# Altium PCB pixracer_pcb_layout_v1.PcbDoc (part 1 of 2) (continued)
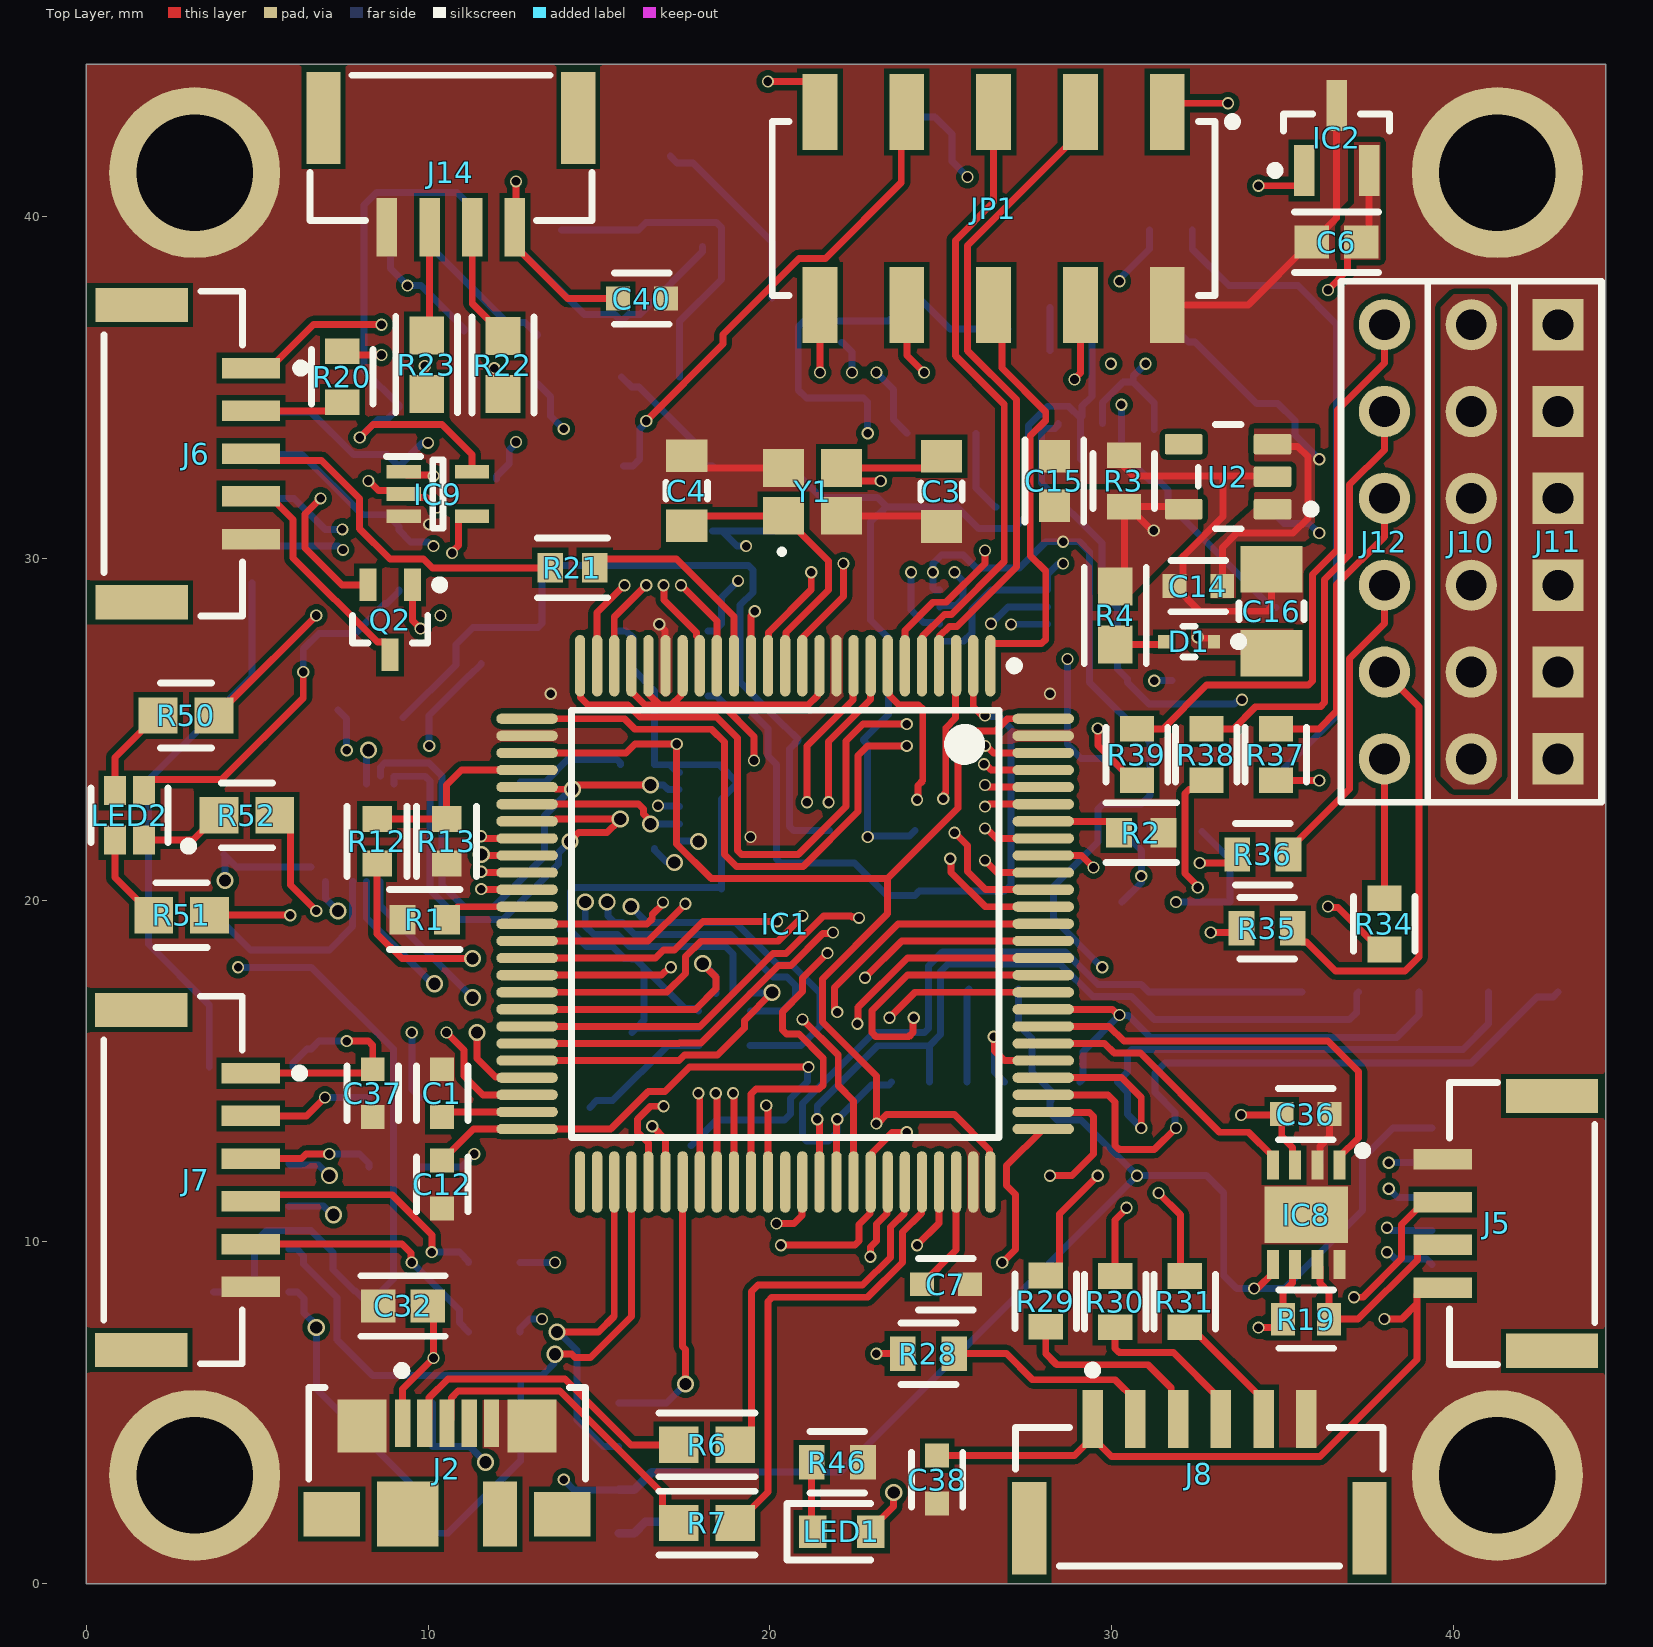
[diagram p0: Top Layer view]
## Footprints (in the part's own frame and the unit in brackets; to place one, negate y for a bottom-side part, rotate by r counter-clockwise, add the part's x,y. Pads: shape width x height; smd on the part's side, far side on the other; paste and mask are expansions set on the pad) (continued)
  silkscreen extent -2,1.53 -1.75,1.78, body extent -1.55,-1.5 1.55,1.5, height 1
SOP50P310X100-8N [mm]
  rect 0.85x0.3 smd: 1(-1.575,0.75) 2(-1.575,0.25) 3(-1.575,-0.25) 4(-1.575,-0.75) 5(1.575,-0.75) 6(1.575,-0.25) 7(1.575,0.25) 8(1.575,0.75)
  silkscreen extent -2,-1 0.8,1.25, body extent -1.55,-0.95 1.56,1.05, height 0.8
SOT65P210X110-5N [mm]
  rect 1x0.4 smd: 1(-1,0.65) 2(-1,0) 3(-1,-0.65) 4(1,-0.65) 5(1,0.65)
  silkscreen extent -1.5,-1 0.15,1.1, body extent -1.05,-1 1.05,1, height 1.1
SOT95P280X130-3N [mm]
  rect 0.9x0.6 smd: 1(-1.4,0.95) 2(-1.4,-0.95) 3(1.4,0)
  silkscreen extent -1.85,-1.45 0.6,1.5, body extent -1.4,-1.45 1.4,1.45, height 1.3
SOT95P280X145-5N [mm]
  rect 1.15x0.6 smd: 1(-1.25,0.95) 2(-1.25,0) 3(-1.25,-0.95) 4(1.25,-0.95) 5(1.25,0.95)
  silkscreen extent -1.83,-1.45 0.33,1.5, body extent -1.4,-1.45 1.4,1.45, height 1.45
SOT95P285X130-5N [mm]
  rect 1.15x0.6 smd: 1(-1.3,0.95) 2(-1.3,0) 3(-1.3,-0.95) 4(1.3,-0.95) 5(1.3,0.95)
  silkscreen extent -1.88,-1.5 0.38,1.5, body extent -1.43,-1.5 1.43,1.5, height 1.3
SOT-23-TT3_N [mm] "SOT23, 3-Leads, Body 2.9x1.3mm, Pitch 0.95mm, Lead Span 2.4mm, IPC Medium Density"
  rect 1.5x0.6 smd: 1(-0.95,0.95) 2(-0.95,-0.95) 3(0.95,0)
  silkscreen extent -1.07,-1.55 0.7,1.92, body extent -0.7,-1.52 0.7,1.53, height 1.12
STM-LQFP100_N [mm] "Thin QFP, 100-Leads, Body 14x14mm, Pitch 0.5mm, IPC Medium Density"
  oval 1.8x0.3 smd: 1(-7.55,6) 2(-7.55,5.5) 3(-7.55,5) 4(-7.55,4.5) 5(-7.55,4) 6(-7.55,3.5) 7(-7.55,3) 8(-7.55,2.5) 9(-7.55,2) 10(-7.55,1.5) 11(-7.55,1) 12(-7.55,0.5) 13(-7.55,0) 14(-7.55,-0.5) 15(-7.55,-1) 16(-7.55,-1.5) 17(-7.55,-2) 18(-7.55,-2.5) 19(-7.55,-3) 20(-7.55,-3.5) 21(-7.55,-4) 22(-7.55,-4.5) 23(-7.55,-5) 24(-7.55,-5.5) 25(-7.55,-6) 51(7.55,-6) 52(7.55,-5.5) 53(7.55,-5) 54(7.55,-4.5) 55(7.55,-4) 56(7.55,-3.5) 57(7.55,-3) 58(7.55,-2.5) 59(7.55,-2) 60(7.55,-1.5) 61(7.55,-1) 62(7.55,-0.5) 63(7.55,0) 64(7.55,0.5) 65(7.55,1) 66(7.55,1.5) 67(7.55,2) 68(7.55,2.5) 69(7.55,3) 70(7.55,3.5) 71(7.55,4) 72(7.55,4.5) 73(7.55,5) 74(7.55,5.5) 75(7.55,6)
  oval 0.3x1.8 smd: 26(-6,-7.55) 27(-5.5,-7.55) 28(-5,-7.55) 29(-4.5,-7.55) 30(-4,-7.55) 31(-3.5,-7.55) 32(-3,-7.55) 33(-2.5,-7.55) 34(-2,-7.55) 35(-1.5,-7.55) 36(-1,-7.55) 37(-0.5,-7.55) 38(0,-7.55) 39(0.5,-7.55) 40(1,-7.55) 41(1.5,-7.55) 42(2,-7.55) 43(2.5,-7.55) 44(3,-7.55) 45(3.5,-7.55) 46(4,-7.55) 47(4.5,-7.55) 48(5,-7.55) 49(5.5,-7.55) 50(6,-7.55) 76(6,7.55) 77(5.5,7.55) 78(5,7.55) 79(4.5,7.55) 80(4,7.55) 81(3.5,7.55) 82(3,7.55) 83(2.5,7.55) 84(2,7.55) 85(1.5,7.55) 86(1,7.55) 87(0.5,7.55) 88(0,7.55) 89(-0.5,7.55) 90(-1,7.55) 91(-1.5,7.55) 92(-2,7.55) 93(-2.5,7.55) 94(-3,7.55) 95(-3.5,7.55) 96(-4,7.55) 97(-4.5,7.55) 98(-5,7.55) 99(-5.5,7.55) 100(-6,7.55)
  silkscreen extent -7.67,-6.25 6.25,6.83, body extent -7,-7 7,7, height 1.6
W2H13C1048AT1A [mm]
  rect 1.02x1.27 smd: 1(-1.225,0) 2(1.225,0)
  rect 0.51x0.51 smd: 3(0,0.635) 4(0,-0.635)
  silkscreen extent -0.5,-0.64 0.5,0.64

## Part data
C1 C7 C12 C13 C14 C17 C20 C22 C27 C36 C37 C38 C40 C47: library part CMP-08246-006835-1, "Multilayer Ceramic Capacitors 2.2μF ±10% 10V X7R SMD 0603", Capacitance=2.2uF, Case Code (Imperial)=0603, Case Code (Metric)=1608, Dielectric=X7R, Dielectric Material=Ceramic, Max Operating Temperature=125°C, Min Operating Temperature=-55°C, Package Quantity=4000, Tolerance=10%, Voltage Rating=10V, Case/Package=0603, Construction=Flat, Depth=0.8mm, Height=0.8mm, Lead Free="Lead Free", Length=1.6mm, Mount="Surface Mount", Packaging="Tape and Reel", REACH SVHC="No SVHC", Resistor Type=Ceramic, RoHS Compliant=Yes, Series=C, Termination=SMD/SMT, Thickness=0.037inch, Voltage Rating (DC)=10V, Weight=7.1E-05oz, Width=0.031inch
C2 C5 C6 C8 C9 C10 C11 C18 C19 C21 C23 C25 C28 C30 C31 C32 C35 C45 C46 C48: library part CMP-2006-04550-2, "General Purpose Ceramic Capacitor, 0603, 100nF, 20%, X7R, 15%, 10V", Capacitance=100nF, Case Code (Imperial)=0603, Case Code (Metric)=1608, Dielectric=X7R, Max Operating Temperature=125°C, Min Operating Temperature=-55°C, Package Quantity=4000, Tolerance=20%, Voltage Rating=10V, Case/Package=0603, Construction=Flat, Depth=0.81mm, Lead Free="Lead Free", Lead Pitch=0.014inch, Length=1.6mm, Mount="Surface Mount", Number of Pins=2, Packaging="Tape and Reel", Radiation Hardening=No, RoHS Compliant=Yes, Series=-, Termination=SMD/SMT, Thickness=0.035inch, Voltage Rating (DC)=10V, Width=0.032inch
C3 C4: library part CMP-08246-000516-1, "Cap Ceramic 8pF 50V C0G 0.5pF Pad SMD 0603 +125°C Automotive T/R", Capacitance=8pF, Case Code (Imperial)=0603, Case Code (Metric)=1608, Dielectric=C0G, Max Operating Temperature=125°C, Min Operating Temperature=-55°C, Package Quantity=4000, Ratings=AEC-Q200, Voltage Rating=50V, Case/Package=0603, Composition=Ceramic, Depth=0.8mm, Height=0.8mm, Length=1.6mm, Mount="Surface Mount", Packaging="Tape and Reel", Radiation Hardening=No, REACH SVHC="No SVHC", Termination=SMD/SMT, Thickness=0.035inch, Voltage Rating (DC)=50V, Weight=7.1E-05oz, Width=0.031inch
C15 C29 C43: library part CMP-13271-003245-1, "Cap Ceramic 10uF 10V X5R ±10% Pad SMD 0603 +85°C T/R", Capacitance=10uF, Case/Package=0603, Dielectric=X5R, Max Operating Temperature=85°C, Min Operating Temperature=-55°C, Package Quantity=10000, Tolerance=10%, Voltage Rating=10V, Depth=0.8mm, Height=0.8mm, Lead Free="Lead Free", Length=1.6mm, Mount="Surface Mount", Packaging="Tape and Reel", Radiation Hardening=No, Thickness=0.035inch, Voltage Rating (DC)=10V, Width=0.031inch
C16: library part CMP-06035-014715-1, "Chip Multilayer Ceramic Capacitors for General Purpose, 1206, 220uF, X5R, 15%, 20%, 4V", Capacitance="220uF 4V", Case Code (Imperial)=1206, Case Code (Metric)=3216, Dielectric=X5R, Max Operating Temperature=85°C, Min Operating Temperature=-55°C, Package Quantity=2000, Tolerance=20%, Voltage Rating=4V, Case/Package=1206, Height=1.6mm, Lead Free="Lead Free", Length=0.126inch, Mount="Surface Mount", Packaging="Tape and Reel", REACH SVHC="No SVHC", Termination=SMD/SMT, Thickness=0.075inch, Voltage Rating (DC)=4V, Weight=0.001411oz, Width=1.6mm
C24: library part CMP-13271-000054-1, "Cap Ceramic 470nF 10V X7R ±10% Pad SMD 0603 +125°C T/R", Capacitance=470nF, Case Code (Imperial)=0603, Case Code (Metric)=1608, Dielectric=X7R, Max Operating Temperature=125°C, Min Operating Temperature=-55°C, Package Quantity=1, Tolerance=10%, Voltage=10V, Case/Package=0603, Depth=0.8mm, Height=0.8mm, Lead Free="Lead Free", Length=1.6mm, Mount="Surface Mount", Packaging="Tape and Reel", Radiation Hardening=No, Thickness=0.035inch, Voltage Rating=10V, Voltage Rating (DC)=10V, Width=0.031inch
C26 C39: "Capacitor", Manufacturer_Name=AVX, Mouser Part Number=581-W2H13C1048AT1F, Arrow Part Number=W2H13C1048AT1F, Arrow Price/Stock=https://www.arrow.com/en/products/w2h13c1048at1f/avx, Datasheet Link=https://componentsearchengine.com/Datasheets/1/W2H13C1048AT1F.pdf, Height=1mm, Manufacturer_Part_Number=W2H13C1048AT1F, Mouser Price/Stock=https://www.mouser.com/Search/Refine.aspx?Keyword=581-W2H13C1048AT1F
C33 C34: library part CMP-08246-005900-1, "Multilayer Ceramic Capacitors 10nF ±10% 50V X5R SMD 0603", Capacitance=10nF, Case Code (Imperial)=0603, Case Code (Metric)=1608, Dielectric Material=Ceramic, Max Operating Temperature=85°C, Min Operating Temperature=-55°C, Package Quantity=4000, Tolerance=10%, Voltage Rating=50V, Case/Package=0603, Lead Free="Lead Free", Length=0.063inch, Mount="Surface Mount", Packaging="Tape and Reel", RoHS Compliant=Yes, Series=C, Thickness=0.035inch, Voltage Rating (DC)=50V, Width=0.031inch
C41 C42: library part CMP-2000-05396-3, "Multilayer Ceramic Capacitors 100uF ±20% 10V X5R SMD 1206", Capacitance="100uF 10V", Case Code (Imperial)=1206, Case Code (Metric)=3216, Dielectric=X5R, Dielectric Material=Ceramic, Max Operating Temperature=85°C, Min Operating Temperature=-55°C, Package Quantity=1, Tolerance=20%, Voltage=10V, Case/Package=1206, Construction=Flat, Depth=1.6mm, Height=1.6mm, Lead Free="Lead Free", Length=3.2mm, Mount="Surface Mount", Packaging="Tape and Reel", Radiation Hardening=No, REACH SVHC="No SVHC", Resistor Type=Ceramic, RoHS Compliant=Yes, Series=C, Termination=SMD/SMT, Thickness=0.075inch, Voltage Rating=10V, Voltage Rating (DC)=10V, Weight=0.000571oz, Width=1.6mm
C44: library part CMP-03422-001506-1, "CAP CER 10UF 6.3V X5R 0603", Capacitance="10uF 6.3V", Case Code (Imperial)=0603, Case Code (Metric)=1608, Dielectric=X5R, Max Operating Temperature=85°C, Min Operating Temperature=-55°C, Resistor Type=Ceramic, Tolerance=20%, Voltage=4V, Voltage Rating=6.3V, Case/Package=0603, Construction=Flat, Depth=0.8mm, Halogen Free="Halogen Free", Height=0.8mm, Lead Free="Lead Free", Length=1.6mm, Mount="Surface Mount", Packaging="Tape and Reel", Radiation Hardening=No, RoHS Compliant=Yes, Series=CC, Termination=SMD/SMT, Thickness=0.035inch, Voltage Rating (DC)=6.3V, Weight=7.1E-05oz, Width=0.031inch
D1: library part CMP-02539-000029-1, "DIODE SCHOTTKY 70V 100MA SOD523", Capacitance=1.5pF, Forward Current=100mA, Manufacturer=Vishay, Max Junction Temp=+125°C, Max Repetitive Reverse Voltage=70V, Max Surge Forward Current=600mA, Package=S8-V-3880.02-001, Peak Reverse Current=0.02uA, Temperature="to +125°C", Automotive=No, Category=Diode, ComponentLink2Description=Datasheet, ComponentLink2URL=https://www.vishay.com/docs/82393/bas7002v.pdf, Device Class L1="Discrete Semiconductors", Device Class L2=Diodes, Device Class L3="Schottky Diodes", Digikey Description="DIODE SCHOTTKY 70V 100MA SOD523", Height=0.7mm, Ipc Land Pattern Name=SODFL16080X60, Lead Free=Yes, Manufacturer Part Number=BAS70-02V-V-G-08, Mouser Description="Schottky Diodes & Rectifiers SCHOTTKY DIODE, PLASTIC", Octopart=https://octopart.com/bas70-02v-v-g-08-vishay-44351226, Reverse Voltage=70V, RoHS=TRUE, Temperature Range High=+125°C
D2: "Schottky Diode", Manufacturer_Name=Nexperia, Mouser Part Number=771-PMEG2020CPA115, Arrow Part Number=PMEG2020CPA,115, Arrow Price/Stock=https://www.arrow.com/en/products/pmeg2020cpa115/nexperia, Datasheet Link=https://assets.nexperia.com/documents/data-sheet/PMEG2020CPA.pdf, Height=0.65mm, Manufacturer_Part_Number=PMEG2020CPA,115, Mouser Price/Stock=https://www.mouser.co.uk/ProductDetail/Nexperia/PMEG2020CPA115?qs=O%2F7ihdSJpebmoeJaQpZU%2FA%3D%3D
D3: library part CMP-1060-00586-1, "Zener Voltage Regulator, 500 mW, 2-Pin SOD-123, Pb-Free, Tape and Reel", Manufacturer="On Semiconductor", ComponentLink1Description="Manufacturer URL", ComponentLink1URL=http://www.onsemi.com/, ComponentLink2Description=Datasheet, ComponentLink2URL=http://www.onsemi.com/pub_link/Collateral/MMSZ5221BT1-D.PDF, ComponentLink3Description="Package Specification", ComponentLink3URL=http://www.onsemi.com/pub_link/Collateral/425-04.PDF, DatasheetVersion="Rev. 12", Mounting Technology="Surface Mount", P Max (W)=0.5, PackageDescription="2-Pin SOD, Body 1.6 x 2.69 mm", PackageReference=SOD-123-2-425-04, PackageVersion="Rev. G, 10/2009", Packing="Tape and Reel", PartNumber=MMSZ5232BT1G, RoHS=Pb-Free, VZ Typ (V)=5.6V
D4: "Schottky Diode", Manufacturer_Name=NXP, Datasheet Link=https://assets.nexperia.com/documents/data-sheet/PMEG1030EH_EJ.pdf, Height=1.2mm, Manufacturer_Part_Number=PMEG1030EH,115
D5: "Diode", Manufacturer_Name="Micro Commercial Components (MCC)", Mouser Part Number=833-1N4448X-TP, Arrow Part Number=1N4448X-TP, Arrow Price/Stock=https://www.arrow.com/en/products/1n4448x-tp/micro-commercial-components?region=europe, Datasheet Link=https://www.mccsemi.com/pdf/Products/1N4448X(SOD-523).PDF, Height=0.65mm, Manufacturer_Part_Number=1N4448X-TP, Mouser Price/Stock=https://www.mouser.co.uk/ProductDetail/Micro-Commercial-Components-MCC/1N4448X-TP?qs=0RDYWt4CO4fFI8HfN%2F4aEA%3D%3D
F1 F3: "Fuse", Manufacturer_Name=Bel, Mouser Part Number=530-0ZCJ0100FF2E, Datasheet Link=https://eu.mouser.com/datasheet/2/643/0ZCJ_Nov2016-1132002.pdf, Height=1mm, Manufacturer_Part_Number=0ZCJ0100FF2E
F2: "Fuse", Manufacturer_Name=Bel, Mouser Part Number=530-0ZCK0035FF2G, Datasheet Link=https://www.mouser.se/datasheet/2/643/0ZCK_Nov2016-1135081.pdf, Height=0.75mm, Manufacturer_Part_Number=0ZCK0035FF2G
IC1: library part CMP-0243-00027-2, "ARM Cortex-M4 32-bit MCU+FPU, 210 DMIPS, 2048 kB Flash, 256 kB Internal RAM, 82 I/Os, 100-pin LQFP, -40 to 85 degC, Tray", I/Os (High Current)=82, Manufacturer=STMicroelectronics, Operating Frequency(F) (Processor speed) (MHz)=168, Supply Voltage(Vcc) max (V)=3.6, Supply Voltage(Vcc) min (V)=1.8, ComponentLink1Description="Manufacturer URL", ComponentLink1URL=http://www.st.com/web/en/home.html, ComponentLink2Description=Datasheet, ComponentLink2URL=http://www.st.com/st-web-ui/static/active/en/resource/technical/document/datasheet/DM00071990.pdf, ComponentLink3Description="Package Specification", ComponentLink3URL=http://www.st.com/st-web-ui/static/active/en/resource/technical/document/data_brief/DM00071938.pdf, Core="ARM Cortex-M4", D/A Converter=2x12-bit, DatasheetVersion="Rev. 1", FLASH Size (Prog) (kB)=2048, Internal RAM Size (kB)=256, Mounting Technology="Surface Mount", PackageDescription="100-Pin Low Profile Quad Flat Package, 14 x 14 mm Body, 0.5 mm Pitch", PackageReference=LQFP100, PackageVersion="Rev. 1, 06/2013", Packing=Tray, PartNumber=STM32F427VIT6
IC2: library part CMP-0138-00370-1, "Micropower Voltage Supervisors, 3-Pin SOT-23, Extended Temperature, Tape and Reel", Code_IPC=SOT23-3, DatasheetVersion="revB, Mar-2005", PackageDescription="3-Lead Plastic Small Outline Transistor (TT) [SOT-23]", PackageReference=SOT-23-TT3, PackageVersion="revBB, Aug-2009"
IC3: "Integrated Circuit", Manufacturer_Name="Cypress Semiconductor", Mouser Part Number=727-FM25V02A-GTR, Arrow Part Number=FM25V02A-GTR, Arrow Price/Stock=https://www.arrow.com/en/products/fm25v02a-gtr/cypress-semiconductor?region=nac, Datasheet Link=https://www.cypress.com/file/139666/download, Height=1.727mm, Manufacturer_Part_Number=FM25V02A-GTR, Mouser Price/Stock=https://www.mouser.co.uk/ProductDetail/Cypress-Semiconductor/FM25V02A-GTR?qs=ILgNtqsyH21Sja70fv%2FiBQ%3D%3D
IC4: library part CMP-221217-000001-1, "IMU ACCEL/GYRO/COMPI2C/SPI 24QFN"
IC5: library part CMP-2000-07589-1, "High Performance 6-Axis MEMS MotionTracking(TM) Device, 1.71 to 3.45 V, -40 to 85 degC, 16-Pin LGA, RoHS", Manufacturer=InvenSense, Max Operating Temperature=85degC, Min Operating Temperature=-40degC, Package Description="16-Pin Land Grid Array, Body 3 x 3 mm, Pitch 0.5 mm", Package Reference=I62-16, Datasheet URL=http://www.invensense.com/wp-content/uploads/2016/10/DS-000176-ICM-20602-v1.0.pdf, Datasheet Version="Rev. 1.0, 10/2016", Manufacturer URL=http://www.invensense.com/, Mounting Technology=SurfaceMount, Output Type=I2C, RoHSCompliant=True, Sensor Type=Temperature
IC6: library part CMP-2000-05251-1, "Barometric Pressure Sensor, with Stainless Steel Cap, 1.8 to 3.6 V, -45 to 85 degC, 8-Pin QFN, RoHS, Tape and Reel", Manufacturer="Measurement Specialties", Operating Pressure Max=1200mbar, Operating Pressure Min=10mbar, Operating Temperature Max=85degC, Operating Temperature Min=-40degC, Package Description="8-Pin Surface Mount Device, Body 5 x 3 mm, Pitch 1.25 mm", Package Reference=MS561101BA03-50-8, Sensor Case Style=QFN, Supply Current=12.5µA, Supply Voltage Max=3.6V, Supply Voltage Min=1.8V, Connection Size=0.5mm, Datasheet URL=http://www.te.com/commerce/DocumentDelivery/DDEController?Action=srchrtrv&DocNm=MS5611-01BA03&DocType=Data+Sheet&DocLang=English&DocFormat=pdf&PartCntxt=CAT-BLPS0036, Datasheet Version=Sep-15, Manufacturer URL=http://www.meas-spec.com/, No. of Pins=8, Pressure Type=Barometric, SVHC=NoSVHC(20-Jun-2013)
IC7: "Integrated Circuit", Manufacturer_Name=onsemi, Mouser Part Number=863-NCP163ASN180T1G, Arrow Part Number=NCP163ASN180T1G, Arrow Price/Stock=https://www.arrow.com/en/products/ncp163asn180t1g/on-semiconductor, Datasheet Link=https://componentsearchengine.com/Datasheets/1/NCP163ASN180T1G.pdf, Height=1.45mm, Manufacturer_Part_Number=NCP163ASN180T1G, Mouser Price/Stock=https://www.mouser.co.uk/ProductDetail/onsemi/NCP163ASN180T1G?qs=vLWxofP3U2z0o2tJM%252BNAYw%3D%3D
IC8: "Integrated Circuit", Arrow Part Number=TJA1051TK/3,118, Manufacturer_Name=NXP, Mouser Part Number=771-TJA1051TK/3118, Arrow Price/Stock=https://www.arrow.com/en/products/tja1051tk3118/nxp-semiconductors?region=nac, Datasheet Link=http://www.nxp.com/docs/en/data-sheet/TJA1051.pdf, Height=1mm, Manufacturer_Part_Number=TJA1051TK/3,118, Mouser Price/Stock=https://www.mouser.co.uk/ProductDetail/NXP-Semiconductors/TJA1051TK-3118?qs=fhAOlxDPaYVrDQ2e4g%252BBJA%3D%3D
IC9: "Integrated Circuit", Manufacturer_Name="Diodes Inc.", Mouser Part Number=621-74LVC1G86SE-7, Arrow Part Number=74LVC1G86SE-7, Arrow Price/Stock=https://www.arrow.com/en/products/74lvc1g86se-7/diodes-incorporated?region=nac, Datasheet Link=https://www.diodes.com/assets/Datasheets/74LVC1G86.pdf, Height=1.1mm, Manufacturer_Part_Number=74LVC1G86SE-7, Mouser Price/Stock=https://www.mouser.co.uk/ProductDetail/Diodes-Incorporated/74LVC1G86SE-7/?qs=8Dv1RiiPiVJ%252BnYSWg3kTgg%3D%3D
IC10: "Integrated Circuit", Manufacturer_Name=Nexperia, Mouser Part Number=771-LVC2G86DC125, Arrow Part Number=74LVC2G86DC,125, Arrow Price/Stock=https://www.arrow.com/en/products/74lvc2g86dc125/nexperia?region=nac, Datasheet Link=https://assets.nexperia.com/documents/data-sheet/74LVC2G86.pdf, Height=1mm, Manufacturer_Part_Number=74LVC2G86DC,125, Mouser Price/Stock=https://www.mouser.co.uk/ProductDetail/Nexperia/74LVC2G86DC125?qs=me8TqzrmIYXbZy3sMRjHUw%3D%3D
IC11: "Integrated Circuit", Manufacturer_Name="Diodes Inc.", Mouser Part Number=621-AP7365-33WG-7, Arrow Part Number=AP7365-33WG-7, Arrow Price/Stock=https://www.arrow.com/en/products/ap7365-33wg-7/diodes-incorporated?region=nac, Datasheet Link=https://componentsearchengine.com/Datasheets/1/AP7365-33WG-7.pdf, Height=1.3mm, Manufacturer_Part_Number=AP7365-33WG-7, Mouser Price/Stock=https://www.mouser.co.uk/ProductDetail/Diodes-Incorporated/AP7365-33WG-7?qs=abZ1nkZpTuOZFvxvoFPL0w%3D%3D
J1: library part CMP-2000-07080-1, "Male Header, Pitch 1 mm, 1 x 6 Position, Height 2.95 mm, -25 to 85 degC, RoHS, Tape and Reel", Manufacturer=JST, Package Description="Male Header, Pitch 1 mm, 1 X 6 Position, Height 2.9 mm", Package Reference=SM06B-SRSS-TB, Datasheet URL=https://datasheet.ciiva.com/26894/getdatasheetpartid-708885-26894671.pdf, Datasheet Version=11/2010, Manufacturer URL=http://www.jst.com/home2.html, Mounting Technology=SurfaceMount, No of Positions=6, Pitch=1mm, Style/Orientation=RightAngleHeader/Plug, Termination=Solder, Type=ShroudedHeader
J2: library part CMP-2000-05246-2, "CONN RCPT USB2.0 MICRO B SMD R/A", Current Rating=1.8A, Manufacturer=Molex, Package=0, Temperature="-30°C to +85°C", Temperature Range High=+85°C, Temperature Range Low=-30°C, Voltage Rating=30V, Automotive=No, Category=Conn, ComponentLink2Description=Datasheet, ComponentLink2URL=https://www.molex.com/webdocs/datasheets/pdf/en-us/0473460001_IO_CONNECTORS.pdf, Conn Orientation="Right Angle", Contact Material=Gold,Nickel, Device Class L1=Connectors, Device Class L2="USB Connectors", Device Class L3=unset, Digikey Description="CONN RCPT USB2.0 MICRO B SMD R/A", Footprint Url=https://www.molex.com/pdm_docs/sd/473460001_sd.pdf, Height=2.945mm, Is Female=yes, Lead Free=Yes, Manufacturer Part Number=473460001, Number Of Contacts=5, Octopart=https://octopart.com/47346-0001-molex-7164928, Pitch=0.65mm, RoHS=TRUE, Shielding=true, Usb Standard="USB 2.0"
J3 J7 J8 J9: library part CMP-17439-000061-1, "CONN HEADER SMD R/A 6POS 1.25MM", Color=Natural, Contact Resistance=50mR, Current Rating=1A, Housing Color=Beige, Max Operating Temperature=85°C, Max Voltage Rating (AC)=50V, Min Operating Temperature=-25°C, Connector Type="Outer Shroud Contact", Contact Material=Bronze, Contact Plating=Tin, Depth=4.05mm, Fastening Type=Ramp, Housing Material=Polyamide, Lead Free="Lead Free", Length=10.75mm, Max Current Rating=1A, Mount="Surface Mount", Number Of Contacts=6, Number of Positions=6, Number of Rows=1, Orientation="Right Angle", Packaging="Tape and Reel", Pitch=1.25mm, Termination=Solder, Voltage Rating=50V
J4: "Connector", Manufacturer_Name=Yamaichi, Mouser Part Number=945-PJS008-2120-0, Datasheet Link=https://componentsearchengine.com/Datasheets/1/PJS008-2120-0.pdf, Height=1.5mm, Manufacturer_Part_Number=PJS008-2120-0, Mouser Price/Stock=https://www.mouser.co.uk/ProductDetail/Yamaichi-Electronics/PJS008-2120-0?qs=pDnM3xHIg41mTHT1wk7bvQ%3D%3D
J5 J14: "Connector", Manufacturer_Name="JST (JAPAN SOLDERLESS TERMINALS)", Manufacturer_Part_Number=SM04B-GHS-TB(LF)(SN), Datasheet Link=http://uk.rs-online.com/web/p/products/7521797
J6 J13: library part CMP-17439-000048-1, "CONN HEADER SMD R/A 5POS 1.25MM", Color=Natural, Current Rating=1A, Max Operating Temperature=85°C, Min Operating Temperature=-25°C, Voltage Rating=50V, Connector Type="Outer Shroud Contact", Contact Material=Bronze, Contact Plating=Tin, Contact Type="Outer Shroud Contact", Fastening Type=Ramp, Housing Color=Natural, Housing Material=Nylon, Lead Free="Lead Free", Mount="Surface Mount", Number Of Contacts=5, Number of Positions=5, Number of Rows=1, Orientation="Right Angle", Packaging="Tape and Reel", Pitch=0.049inch, REACH SVHC="No SVHC", Series=GH, Termination=Solder, Voltage Rating (AC)=50V, Wire/Cable Gauge=26AWG
J10 J11 J12: "Header, 6-Pin", LatestRevisionDate=17-Jul-2002, LatestRevisionNote="Re-released for DXP Platform.", Publisher="Altium Limited"
JP1: library part CMP-1023-00207-1, "Tiger Claw(TM) Surface Mount Socket, Vertical, -55 to 125 degC, 2.54 mm Pitch, 10-Pin, Female, RoHS", Manufacturer=Samtec, Temperature Range="-55 to 125 degC", ComponentLink1Description="Manufacturer URL", ComponentLink1URL=http://www.samtec.com, ComponentLink2Description=Datasheet, ComponentLink2URL=http://www.samtec.com/documents/webfiles/pdf/SSM_SM.PDF, ComponentLink3Description="Package Specification", ComponentLink3URL=http://www.samtec.com/documents/webfiles/cpdf/SSM-1XX-XXX-DV-XX-XX-X-XX-MKT.pdf, DatasheetVersion=F-214, Mounting Technology="Surface Mount", Orientation=Vertical, PackageDescription=".100 C.L. Double Vertical SMT Socket Strip", PackageReference=SSM-105-X-DV, PackageVersion="AK, 3/2000", PartNumber=SSM-105-L-DV, Pitch="2.54 mm", RoHS=True
LED1: "LED", Manufacturer_Name=Kingbright, Mouser Part Number=604-APG1608ZGCK, Arrow Part Number=APG1608ZGCK, Arrow Price/Stock=https://www.arrow.com/en/products/apg1608zgck/kingbright, Datasheet Link=http://www.kingbrightusa.com/images/catalog/SPEC/APG1608ZGCK.pdf, Height=0.28mm, Manufacturer_Part_Number=APG1608ZGCK, Mouser Price/Stock=https://www.mouser.co.uk/ProductDetail/Kingbright/APG1608ZGCK?qs=Oo40KB9lBTmmOma0ledTcg%3D%3D
LED2: library part CMP-2000-05201-2, "LED RGB DIFFUSED CHIP SMD", Case Code (Imperial)=0606, Case Code (Metric)=1616, Color=Blue, Forward Current=20mA, Forward Voltage=3.35V, Lens Color=White, Max Operating Temperature=80°C, Min Operating Temperature=-20°C, Package Quantity=3000, Reverse Voltage=5V, Case/Package=0606, Depth=1.6mm, Dominant Wavelength=470nm, Height=0.35mm, Lead Free="Lead Free", Length=1.6mm, Lens Style=Diffused, Lens Transparency=Diffused, Luminous Intensity=180mcd, Mount="Surface Mount", Number of Elements=3, Number of LEDs=3, Number of Pins=4, Packaging="Tape and Reel", Radiation Hardening=No, Test Current=20mA, Viewing Angle=130°, Width=1.6mm
Q1: "MOSFET (N-Channel)", Manufacturer_Name=Torex, Mouser Part Number=865-XP151A12A2MR-G, Datasheet Link=https://www.torexsemi.com/file/xp151a12a2mr/XP151A12A2MR.pdf, Height=1.3mm, Manufacturer_Part_Number=XP151A12A2MR-G, Mouser Price/Stock=https://www.mouser.co.uk/ProductDetail/Torex-Semiconductor/XP151A12A2MR-G?qs=AsjdqWjXhJ%252BYt8dSaKx3TA%3D%3D
Q2: library part CMP-1099-00033-1, "P-Channel OptiMOS P Small-Signal-Transistor, -20 V VDS, -0.39 A ID, -55 to 150 degC, PG-SOT-323, Reel, Green", Manufacturer=Infineon, ComponentLink1Description="Manufacturer URL", ComponentLink1URL=http://www.infineon.com/, ComponentLink2Description=Datasheet, ComponentLink2URL=http://www.infineon.com/dgdl/BSS223PW_Rev1.5.pdf?folderId=db3a304314dca38901154a72e3951a65&fileId=db3a3043321e49940132481523b6245f, ComponentLink3Description="Package Specification", ComponentLink3URL=http://www.infineon.com/dgdl/SOT323-Package_Overview.pdf?folderId=db3a30431936bc4b0119533e1dcb3c92&fileId=db3a30431936bc4b011953495f283cb1, DatasheetVersion="Rev. 1.5", Green=TRUE, Halogen-free=TRUE, ID (max)="-0.39Â A", IDpuls (max)="-1.56Â A", Mounting Technology="Surface Mount", PackageDescription="3-Pin Small Outline Transistor Package, 2 x 1.25 mm Body, 0.65 mm Pitch", PackageReference=PG-SOT-323, PackageVersion=Apr-08, Packing=Reel, PartNumber="BSS223PW H6327", Pto t (max)="0.25Â W", QG="-0.5Â nC", RDS (on) (max)="2,100Â mOhm", RDS (on) (max) (@2.5V)="2,100Â mOhm", RDS (on) (max) (@4.5V)="1,200Â mOhm", Rth="500Â K/W", VDS (max)="-20Â V", VGS(th) (max)="-1.2Â V", VGS(th) (min)="-0.6Â V"
R1 R2 R12 R13 R21 R42 R48 R49 R53: library part CMP-2000-00704-2, "RES SMD 10K OHM 5% 1/10W 0603", Case Code (Imperial)=0603, Case Code (Metric)=1608, Max Operating Temperature=155°C, Max Power Dissipation=100mW, Min Operating Temperature=-55°C, Package Quantity=1, Resistance=10kR, Resistance Tolerance=5%, Resistor Type="Thick Film", Temperature Coefficient=200ppm/°C, Voltage Rating=75V, Voltage Rating (DC)=50V, Case/Package=0603, Construction=Rectangular, Contact Plating=Tin, Depth=0.8mm, Features="Automotive AEC-Q200", Height=0.45mm, Lead Free="Lead Free", Length=1.6mm, Military Standard=Not, Mount="Surface Mount", Number of Terminations=2, Packaging="Tape and Reel", Power Rating=100mW, REACH SVHC="No SVHC", RoHS Compliant=Yes, Series=ERJ, Technology="THICK FILM", Termination=SMD/SMT, Tolerance=5%, Weight=7.1E-05oz, Width=0.8mm, Working Voltage=75V
R3 R5 R20 R24 R25 R26 R27 R28 R29 R30 R31 R34 R35 R36 R37 R38 R39 R44 R45 R46: library part CMP-02407-003555-1, "RES Thick Film, 220Ω, 1%, 0.1W, 100ppm/°C, 0603", Case Code (Imperial)=0603, Case Code (Metric)=1608, Max Operating Temperature=155°C, Max Power Dissipation=100mW, Min Operating Temperature=-55°C, Package Quantity=10000, Resistance=220R, Temperature Coefficient=100ppm/°C, Tolerance=1%, Voltage Rating=75V, Case/Package=0603, Composition="Thick Film", Depth=0.85mm, Features="Automotive AEC-Q200", Height=0.02inch, Lead Free="Lead Free", Length=1.55mm, Military Standard=Not, Number of Terminations=2, Packaging="Tape and Reel", Power Rating=100mW, Termination=SMD/SMT, Weight=7.1E-05oz, Width=0.85mm
R4 R8 R9 R22 R23: library part CMP-13261-002301-1, "Res Thick Film 0603 1kΩ 5% 0.1W ±100ppm/°C Molded SMD T/R", Case Code (Imperial)=0603, Case Code (Metric)=1608, Max Operating Temperature=155°C, Max Power Dissipation=100mW, Min Operating Temperature=-55°C, Resistance=1kR, Temperature Coefficient=100ppm/°C, Tolerance=5%, Voltage Rating (DC)=50V, Case/Package=0603, Composition="Thick Film", Contact Plating=Tin, Depth=0.8mm, Features="Moisture Resistant", Height=0.022inch, Lead Free="Lead Free", Length=1.6mm, Military Standard=Not, Mount="Surface Mount", Number of Terminations=2, Packaging="Tape and Reel", Power Rating=100mW, Radiation Hardening=No, Width=0.031inch
R6 R7: library part CMP-02407-008302-1, "RES Thick Film, 22Ω, 5%, 0.33W, 200ppm/°C, 0603", Case Code (Imperial)=0603, Case Code (Metric)=1608, Max Operating Temperature=155°C, Min Operating Temperature=-55°C, Package Quantity=5000, Power Rating=250mW, Resistance=22R, Temperature Coefficient=200ppm/°C, Tolerance=5%, Voltage Rating=75V, Case/Package=0603, Composition="Thick Film", Contact Plating=Tin, Depth=0.85mm, Height=0.45mm, Lead Free="Lead Free", Length=1.6mm, Military Standard=Not, Mount="Surface Mount", Packaging="Tape and Reel", Radiation Hardening=No, Weight=7.1E-05oz, Width=0.8mm
R10 R11: library part CMP-02407-009732-1, "RES Thick Film, 1MΩ, 5%, 0.33W, 200ppm/°C, 0603", Case Code (Imperial)=0603, Case Code (Metric)=1608, Max Operating Temperature=155°C, Max Power Dissipation=250mW, Min Operating Temperature=-55°C, Package Quantity=1, Resistance=1MR, Temperature Coefficient=200ppm/°C, Tolerance=5%, Voltage Rating=75V, Case/Package=0603, Composition="Thick Film", Contact Plating=Tin, Features="Automotive AEC-Q200", Height=0.022inch, Lead Free="Lead Free", Length=0.063inch, Number of Terminations=2, Packaging="Tape and Reel", Power Rating=250mW, Radiation Hardening=No, Termination=SMD/SMT, Weight=7.1E-05oz, Width=0.8mm
R14 R15 R16 R17 R18: library part CMP-26527-000115-1, "100kΩ ±5% 0.1W 0603 Thick Film Chip Resistor AEC-Q200 compliant", Case Code (Imperial)=0603, Case Code (Metric)=1608, Max Operating Temperature=155°C, Max Power Dissipation=100mW, Min Operating Temperature=-55°C, Resistance=100kR, Resistor Type="Thick Film", Temperature Coefficient=100ppm/°C, Tolerance=5%, Case/Package=0603, Construction=Rectangular, Contact Plating=Tin, Depth=0.8mm, Features="Automotive AEC-Q200", Height=0.022inch, Lead Free="Lead Free", Length=1.55mm, Military Standard=Not, Mount="Surface Mount", Number of Terminations=2, Packaging="Tape and Reel", Power Rating=100mW, Radiation Hardening=No, RoHS Compliant=Yes, Series=RMCF, Width=0.031inch
R19: library part CMP-02407-011907-1, "RES SMD 100 OHM 1% 1/8W 0603", Case/Package=0603, Max Operating Temperature=125°C, Max Power Dissipation=100mW, Min Operating Temperature=-55°C, Resistance=120R, Resistor Type="Thin Film", Temperature Coefficient=25ppm/°C, Tolerance=0.1%, Construction=Rectangular, Contact Plating=Tin, Depth=0.85mm, Features=Anti-Sulfur, Height=0.45mm, Lead Free="Lead Free", Length=1.55mm, Military Standard=Not, Mount="Surface Mount", Number of Terminations=2, Packaging="Tape and Reel", Power Rating=100mW, Radiation Hardening=No, RoHS Compliant=Yes, Series="MCT - Precision", Size Code=0603, Technology="THIN FILM", Width=850um
R32 R33: library part CMP-03211-005433-1, "RES SMD 1.5KΩ 0.1% 1/16W 0603", Manufacturer="TE Connectivity", Package=CPF0603, Power Rating=0.063W, Resistance=1.5KΩ, Temperature="-55°C to +155°C", Temperature Coefficient=25ppm/°C, Temperature Range High=+155°C, Temperature Range Low=-55°C, Tolerance=0.1%, Voltage Rating=50V, Automotive=No, Category=Res, ComponentLink2Description=Datasheet, ComponentLink2URL=https://www.te.com/commerce/DocumentDelivery/DDEController?Action=showdoc&DocId=Data+Sheet%7F1773200%7FM%7Fpdf%7FEnglish%7FENG_DS_1773200_M.pdf%7F3-1676481-2, Composition="Thin Film", Device Class L1="Passive Components", Device Class L2=Resistors, Device Class L3="Chip SMD Resistors", Height=0.55mm, Ipc Land Pattern Name=RESC15580X45, Lead Free=Yes, Manufacturer Part Number=CPF0603B1K5E1, Octopart=https://octopart.com/cpf0603b1k5e1-te+connectivity-9539421, octopart_url=https://octopart.com/cpf0603b1k5e1-te+connectivity-9539421, Packaging="1k Reel", RoHS=TRUE, Series=CPF
R40: library part CMP-08839-007837-1, "Thick Film Chip Resistor, 0603, 1.5kΩ, 1%, 100ppm/°C, 0.1W, 50V", Case Code (Imperial)=0603, Case Code (Metric)=1608, Max Operating Temperature=155°C, Max Power Dissipation=100mW, Min Operating Temperature=-55°C, Package Quantity=5000, Resistance=1.5kR, Resistor Type="Thick Film", Temperature Coefficient=100ppm/°C, Tolerance=1%, Voltage Rating (DC)=50V, Case/Package=0603, Depth=0.8mm, Features="Automotive AEC-Q200", Height=0.022inch, Lead Free="Lead Free", Length=0.063inch, Military Standard=Not, Mount="Surface Mount", Number of Terminations=2, Packaging="Tape and Reel", Power Rating=100mW, RoHS Compliant=Yes, Width=0.031inch
R41: library part CMP-2000-03274-2, "RES Thick Film, 36Ω, 5%, 0.1W, 200ppm/°C, 0603", Case Code (Imperial)=0603, Case Code (Metric)=1608, Max Operating Temperature=155°C, Max Power Dissipation=100mW, Min Operating Temperature=-55°C, Package Quantity=1, Resistance=36R, Temperature Coefficient=200ppm/°C, Tolerance=5%, Voltage Rating=75V, Case/Package=0603, Composition="Thick Film", Contact Plating=Tin, Features="Automotive AEC-Q200", Height=0.02inch, Lead Free="Lead Free", Length=0.061inch, Number of Terminations=2, Packaging="Tape and Reel", Power Rating=100mW, Radiation Hardening=No, Voltage Rating (DC)=75V, Weight=7.1E-05oz, Width=0.033inch
R43: library part CMP-2000-03374-2, "RES Thick Film, 470Ω, 5%, 0.1W, 200ppm/°C, 0603", Case Code (Imperial)=0603, Case Code (Metric)=1608, Max Operating Temperature=155°C, Max Power Dissipation=100mW, Min Operating Temperature=-55°C, Package Quantity=1, Resistance=470R, Temperature Coefficient=200ppm/°C, Tolerance=5%, Voltage Rating=75V, Case/Package=0603, Composition="Thick Film", Contact Plating=Tin, Depth=0.85mm, Features="Automotive AEC-Q200", Height=0.45mm, Length=1.55mm, Military Standard=Not, Mount="Surface Mount", Number of Terminations=2, Packaging="Tape and Reel", Power Rating=100mW, Radiation Hardening=No, Termination=SMD/SMT, Weight=7.1E-05oz, Width=0.033inch, Working Voltage=75V
R47: library part CMP-2000-04347-2, "RES SMD 10 OHM 0.1% 1/10W 0603", Manufacturer=Yageo, Package=RT0603, Power Rating=0.1W, Resistance=10Ω, Temperature="-55°C to +155°C", Temperature Coefficient="25 ppm/°C", Temperature Range High=+155°C, Temperature Range Low=-55°C, Tolerance=0.001, Voltage Rating=75V, Automotive=No, Category=Res, ComponentLink2Description=Datasheet, ComponentLink2URL=http://www.yageo.com/documents/recent/PYu-RT_1-to-0.01_RoHS_L_9.pdf, Composition="Thin Film", Device Class L1="Passive Components", Device Class L2=Resistors, Device Class L3="Chip SMD Resistors", Digikey Description="RES SMD 10 OHM 0.1% 1/10W 0603", Footprint Url=http://www.yageo.com/exep/pages/download/literatures/PYu-R_Mount_10.pdf, Height=0.55mm, Ipc Land Pattern Name=RESC16080X45, Lead Free=Yes, Manufacturer Part Number=RT0603BRD0710RL, Mouser Description="Thin Film Resistors - SMD 1/10W 10 ohm .1% 25ppm", Octopart=https://octopart.com/rt0603brd0710rl-yageo-1216748, RoHS=TRUE, Series=RT
R50 R51 R52: library part CMP-2000-03825-2, "RES Thick Film, 100Ω, 1%, 0.1W, 100ppm/°C, 0603", Case Code (Imperial)=0603, Case Code (Metric)=1608, Max Operating Temperature=155°C, Max Power Dissipation=100mW, Min Operating Temperature=-55°C, Package Quantity=10000, Resistance=100R, Temperature Coefficient=100ppm/°C, Tolerance=1%, Voltage Rating=75V, Case/Package=0603, Composition="Thick Film", Contact Plating=Tin, Depth=0.85mm, Features="Automotive AEC-Q200", Height=0.02inch, Lead Free="Lead Free", Length=1.55mm, Military Standard=Not, Number of Terminations=2, Packaging="Tape and Reel", Power Rating=100mW, Radiation Hardening=No, Termination=SMD/SMT, Voltage Rating (DC)=75V, Weight=7.1E-05oz, Width=0.033inch
U1 U2: library part CMP-04917-000018-1, "IC REG LINEAR 3.3V 250MA SOT23-5", Dropout Voltage=120mV, Manufacturer="Texas Instruments", Max Junction Temp=+125°C, Max Supply Voltage=5.5V, Min Supply Voltage=2.2V, Nominal Supply Current=12-250uA, Output Current=250mA, Output Voltage=3.3V, Package=DBV0005A, Temperature="-40°C to +125°C", Temperature Range Low=-40°C, Automotive=Yes, Automotive Grade="Grade 1", Category=IC, ComponentLink2Description=Datasheet, ComponentLink2URL=http://www.ti.com/lit/ds/symlink/lp5907-q1.pdf, Device Class L1="Integrated Circuits (ICs)", Device Class L2="Power Management ICs", Device Class L3="Voltage Regulators - Linear", Digikey Description="IC REG LINEAR 3.3V 250MA SOT23-5", Height=1.45mm, Lead Free=Yes, Manufacturer Part Number=LP5907QMFX-3.3Q1, Mouser Description="Automotive 250-mA ultra-low-noise low-IQ low-dropout (LDO) linear regulator 5-SOT-23 -40 to 125", Number Of Outputs=1, Octopart=https://octopart.com/lp5907qmfx-3.3q1-texas+instruments-50417899, Output Type=Fixed, RoHS=TRUE, Standoff Height=0mm, Temperature Range High=+125°C
U3: library part CMP-2000-07463-2, "SENSOR MR I2C/SPI 12LGA", Manufacturer=STMicroelectronics, Max Supply Voltage=3.6V, Min Supply Voltage=1.71V, Operating Supply Current=40-270uA, Package=VFLGA-12-8365767, Temperature="-40°C to +85°C", Temperature Range High=+85°C, Temperature Range Low=-40°C, Automotive=No, Category=IC, ComponentLink2Description=Datasheet, ComponentLink2URL=https://www.st.com/resource/en/datasheet/lis3mdl.pdf, Device Class L1=Sensors, Device Class L2="Magnetic Sensors", Device Class L3=unset, Digikey Description="SENSOR MR I2C/SPI 12LGA", Footprint Url=https://www.st.com/content/ccc/resource/technical/document/technical_note/73/17/9c/16/dd/96/4a/01/CD00134799.pdf/files/CD00134799.pdf/jcr:content/translations/en.CD00134799.pdf, Height=1mm, Lead Free=Yes, Manufacturer Part Number=LIS3MDLTR, Mouser Description="Board Mount Hall Effect / Magnetic Sensors Ultra Lo-Pwr Hi Perf 3-Axis 1.9-3.6V", Octopart=https://octopart.com/lis3mdltr-stmicroelectronics-29403125, RoHS=TRUE, Sensing Method=Magnetic, Sensor Output=I2C,SPI
Y1: "Crystal or Oscillator", Manufacturer_Name="Epson Timing", Manufacturer_Part_Number="FA-20H 24.0000MF20X-K3", Mouser Part Number=732-FA20H-24F20X-K3, Datasheet Link=https://support.epson.biz/td/api/doc_check.php?dl=brief_FA-20H&lang=en, Height=0.55mm, Mouser Price/Stock=https://www.mouser.co.uk/ProductDetail/Epson-Timing/FA-20H-240000MF20X-K3?qs=CANAagUtPAp2w31393daZQ%3D%3D

## Free pads (board coordinates)
  round 5 hole 3.4: 1(3.175,41.275) 2(3.175,3.175) 3(41.275,41.275) 4(41.275,3.175)

## Via types
v1: diameter 0.356, hole 0.254, Top Layer to Bottom Layer, 166 vias
v2: diameter 0.5, hole 0.356, Top Layer to Bottom Layer, 28 vias

## Nets (pads, with @x,y where several pads share a name; then routed paths per layer and width w, separated by ;. In a path a pad name is that pad's centre, name@x,y a point inside that pad or via, vN(x,y) a via of type N, cw(c..) or ccw(c..) an arc to the next point about the centre after c; other vN are vias at no path point)
8266_CTS: IC1.41 JP1.10 | length 34.6
  Top Layer w0.203: IC1.41@12.897,17.804 16.832,17.804 17.062,18.034 v1(17.103,18.034) ; v1(21.463,35.433) JP1.10@21.463,37.403
  Mid Layer 1 w0.203: v1(17.103,18.034) 14.094,18.034 12.418,19.71 12.418,28.683 13.58,29.845 19.558,29.845 21.463,31.75 v1(21.463,35.433)
8266_GPIO0: IC1.1 JP1.6 | length 13.1
  Top Layer w0.203: IC1.1@26.447,26.854 26.447,27.458 26.492,27.503 27.948,27.503 28.067,27.621 28.067,29.621 27.613,30.075 27.613,33.568 28.067,34.022 28.067,34.281 26.783,35.566 26.783,37.163 JP1.6@26.543,37.403
8266_GPIO2: IC1.90 JP1.4 | length 22.2
  Top Layer w0.203: v1(25.4,21.971) 25.778,21.593 25.778,20.831 26.305,20.304 IC1.90@27.997,20.304 ; v1(28.911,35.224) 28.911,35.247 29.083,35.42 JP1.4@29.083,37.403
  Mid Layer 1 w0.203: v1(25.4,21.971) 25.781,21.59 26.67,21.59 26.924,21.844 26.924,23.749 27.764,24.589 27.764,27.961 27.484,28.242 27.484,29.778 27.764,30.059 27.764,34.078 v1(28.911,35.224)
8266_PD: IC1.4 JP1.3 | length 19.2
  Top Layer w0.203: IC1.4@24.947,26.854 24.966,26.873 24.966,27.718 25.253,28.006 25.466,28.006 27.206,29.746 27.206,34.643 25.782,36.067 25.782,36.702 25.781,39.151 29.083,42.453 JP1.3@29.083,43.053
8266_RST: IC1.5 JP1.5 | length 18.4
  Top Layer w0.203: IC1.5@24.447,26.854 24.466,26.873 24.466,27.717 25.107,28.358 25.31,28.358 26.853,29.901 26.853,34.497 25.429,35.921 25.429,36.039 25.428,39.298 26.543,40.412 JP1.5@26.543,43.053
8266_RTS: IC1.67 JP1.9 | length 47.8
  Top Layer w0.203: v1(19.939,43.942) 21.054,43.942 21.463,43.533 JP1.9@21.463,43.053 ; v1(20.955,16.51) 21.999,15.466 21.999,14.577 22.447,14.129 IC1.67@22.447,11.754
  Mid Layer 1 w0.203: v1(19.939,43.942) 21.971,41.91 21.971,31.623 20.193,29.845 20.193,28.448 19.108,27.363 16.958,27.363 12.771,23.176 12.771,19.859 14.088,18.542 17.272,18.542 17.532,18.282 17.532,17.139 18.161,16.51 v1(20.955,16.51)
20608_CS: IC1.9 IC5.5 | length 8.8
  Top Layer w0.203: v1(21.082,22.86) 21.082,24.502 22.428,25.849 22.428,26.835 IC1.9@22.447,26.854
  Mid Layer 2 w0.203: v2(17.907,21.717) 19.051,22.861 v1(21.082,22.86)
  Bottom Layer w0.203: IC5.5@17.354,21.733 17.362,21.725 17.899,21.725 v2(17.907,21.717)
20608_DRDY: IC1.8 IC5.6 | length 10.6
  Top Layer w0.203: v1(21.717,22.86) 21.717,24.638 22.947,25.868 IC1.8@22.947,26.854
  Mid Layer 2 w0.203: v2(17.203,21.102) 18.054,21.102 19.304,22.352 21.399,22.352 21.543,22.496 21.688,22.641 21.688,22.831 v1(21.717,22.86)
  Bottom Layer w0.203: IC5.6@16.629,21.508 16.629,21.458 16.955,21.132 17.174,21.132 v2(17.203,21.102)
\R\S\T\: IC1.14 IC2.1 | length 24.5
  Top Layer w0.203: IC1.14@19.947,26.854 19.957,26.864 19.957,27.831 21.209,29.083 v1(21.209,29.591) ; v1(34.29,40.894) 35.428,40.894 35.626,41.092 IC2.1@35.626,41.341
  Mid Layer 1 w0.203: v1(21.209,29.591) 21.64,29.16 22.277,29.16 27.056,33.939 27.056,35.54 30.047,38.531 30.405,38.531 31.077,37.859 31.255,37.859 v1(34.29,40.894)
ALARM: IC1.77 R48.1 | length 46.3
  Top Layer w0.203: IC1.77@27.997,13.804 28.016,13.785 29.345,13.785 29.464,13.667 29.464,12.573 28.829,11.938 v1(28.194,11.938)
  Mid Layer 1 w0.203: v1(22.403,35.433) 22.403,33.48 22.479,33.404 22.479,31.496 20.574,29.591 20.574,28.194 19.388,27.008 17.102,27.008 13.124,23.03 13.124,20.005 14.234,18.895 17.988,18.895 18.536,18.347 18.536,16.982 18.654,16.863 20.701,16.863 21.11,17.272 24.334,17.272 24.66,16.946 24.66,15.726 28.183,12.203 28.183,11.949 v1(28.194,11.938)
  Bottom Layer w0.203: R48.1@22.098,36.306 22.126,36.306 22.403,36.029 v1(22.403,35.433)
BARO_CS: IC1.88 IC6.5 | length 46.8
  Top Layer w0.203: v1(21.971,16.722) 21.942,16.752 21.942,16.793 21.889,16.846 21.889,17.444 23.749,19.304 IC1.88@27.997,19.304
  Mid Layer 1 w0.203: v2(7.112,11.938) 6.632,11.458 6.632,10.513 6.985,10.16 12.434,10.16 12.553,10.041 12.553,7.485 12.434,7.366 9.906,7.366 9.652,7.112 9.652,6.223 10.18,5.695 14.458,5.695 14.894,6.131 14.894,9.152 15.013,9.271 20.32,9.271 21.336,10.287 21.336,12.183 20.32,13.199 20.32,15.621 20.701,16.002 21.59,16.002 21.971,16.383 v1(21.971,16.722)
  Bottom Layer w0.203: IC6.5@5.926,12.289 5.959,12.256 6.794,12.256 v2(7.112,11.938)
BATT_CURRENT_SENS: C33.1 IC1.26 R8.2 | length 32.4
  Top Layer w0.203: IC1.26@12.897,25.304 15.749,25.304 16.056,24.997 18.296,24.997 18.669,24.624 18.669,21.337 19.023,20.983 20.974,20.983 22.578,22.587 22.578,24.229 22.86,24.511 v1(24.003,24.511)
  Mid Layer 2 w0.203: v1(24.003,24.511) 23.513,25.001 23.513,25.263 24.1,25.85 26.446,25.85 27.071,25.225 27.071,24.835 27.071,22.196 27.53,21.737 29.788,21.737 30.325,21.201 30.325,20.82 30.444,20.701 v1(30.862,20.701)
  Bottom Layer w0.203: C33.1@30.291,19.939 30.862,20.51 30.862,21.451 30.353,21.96 R8.2@30.353,22.009
BATT_VOLT_SENS: C34.1 IC1.25 R9.2 | length 33.2
  Top Layer w0.203: IC1.25@14.447,26.854 14.466,26.835 14.466,25.92 14.684,25.702 15.849,25.702 16.202,25.349 18.442,25.349 19.05,24.742 19.05,21.455 19.169,21.336 20.828,21.336 22.225,22.733 22.225,24.647 22.724,25.146 v1(24.003,25.146)
  Mid Layer 2 w0.203: v1(24.003,25.146) 24.209,24.94 26.467,24.94 26.718,24.689 26.718,22.05 27.384,21.384 29.642,21.384 29.972,21.054 29.972,20.058 30.091,19.939 v1(31.877,19.939)
  Bottom Layer w0.203: v1(31.877,19.939) C34.1@33.463,19.939 33.463,21.185 R9.2@32.639,22.009
BUZZER+: D5.1 J13.5 R47.2 | length 9.7
  Bottom Layer w0.203: J13.5@13.898,39.599 16.16,39.599 16.375,39.815 18.438,39.815 18.586,39.667 18.586,38.156 17.36,36.93 D5.1@17.36,36.83 R47.2@17.36,35.306
BUZZER-: D5.2 J13.4 Q1.3 | length 7.9
  Bottom Layer w0.203: J13.4@12.648,39.599 12.648,39.049 14.569,37.129 15.462,37.129 D5.2@15.66,36.93 ; D5.2@15.66,36.83 D5.2@15.66,36.93 ; Q1.3@18.034,39.113 18.034,38.963 16.2,37.129 15.858,37.129 D5.2@15.66,36.93
CAN1_RX: IC1.81 IC8.4 | length 8.3
  Top Layer w0.203: IC1.81@27.997,15.804 29.789,15.804 30.071,15.522 30.833,15.522 33.147,13.208 33.999,13.208 34.712,12.495 IC8.4@34.712,12.245
CAN1_TX: IC1.82 IC8.1 | length 12.7
  Top Layer w0.203: IC1.82@27.997,16.304 29.924,16.304 30.353,15.875 36.322,15.875 37.211,14.986 37.211,13.044 36.662,12.495 IC8.1@36.662,12.245
FMU_CH1: IC1.45 R34.2 | length 27.7
  Top Layer w0.203: IC1.45@12.897,15.804 17.337,15.804 17.352,15.819 17.978,15.819 20.249,18.09 20.614,18.09 21.545,19.021 21.815,19.021 v1(21.844,19.05) ; v1(36.322,19.812) 36.351,19.783 36.619,19.783 37.848,18.554 R34.2@37.973,18.554
  Mid Layer 1 w0.203: v1(21.844,19.05) 31.759,19.05 32.112,18.697 32.267,18.542 35.052,18.542 v1(36.322,19.812)
FMU_CH2: IC1.44 R35.2 | length 22.5
  Top Layer w0.203: IC1.44@12.897,16.304 17.955,16.304 20.094,18.443 20.468,18.443 21.562,19.538 22.372,19.538 22.401,19.509 22.577,19.509 v1(22.606,19.479) ; v1(32.893,19.05) 33.667,19.05 R35.2@33.794,19.177
  Mid Layer 1 w0.203: v1(22.606,19.479) 31.956,19.479 32.385,19.05 v1(32.893,19.05)
FMU_CH3: IC1.42 R36.2 | length 22.9
  Top Layer w0.203: IC1.42@12.897,17.304 16.98,17.304 17.532,17.856 17.532,18.347 17.981,18.796 20.233,18.796 20.955,19.518 v1(20.955,19.538) ; v1(32.571,21.082) 33.413,21.082 R36.2@33.667,21.336
  Mid Layer 1 w0.203: v1(20.955,19.538) 20.969,19.552 20.969,19.8 21.088,19.919 31.186,19.919 32.32,21.053 32.542,21.053 v1(32.571,21.082)
FMU_CH4: IC1.40 R37.2 | length 27.7
  Top Layer w0.203: IC1.40@12.897,18.304 16.653,18.304 16.891,18.542 17.207,18.542 18.044,19.379 v1(20.209,19.379) ; R37.2@34.798,23.507 34.81,23.495 v1(36.068,23.495)
  Mid Layer 1 w0.203: v1(20.209,19.379) 20.209,19.955 20.526,20.272 31.04,20.272 32.358,21.59 35.433,21.59 36.068,22.225 v1(36.068,23.495)
FMU_CH5: IC1.60 R38.2 | length 32.5
  Top Layer w0.203: v1(18.923,14.351) 18.923,14.337 18.947,14.313 IC1.60@18.947,11.754 ; v1(32.512,20.368) 32.512,20.41 32.142,20.78 32.142,23.115 32.261,23.233 32.367,23.233 32.766,23.632 R38.2@32.766,23.761
  Mid Layer 2 w0.203: v1(18.923,14.351) 18.923,18.288 18.542,18.669 16.481,18.669 16.362,18.788 16.362,20.533 16.502,20.673 26.555,20.673 28.712,20.673 29.954,19.431 32.393,19.431 32.512,19.55 v1(32.512,20.368)
FMU_CH6: IC1.61 R39.2 | length 28.9
  Top Layer w0.203: IC1.61@19.447,11.754 19.447,14.331 19.591,14.476 21.441,14.476 21.56,14.594 21.56,15.37 20.849,16.081 20.483,16.081 20.364,16.199 20.364,16.734 20.955,17.324 20.955,17.719 v1(21.684,18.448) ; v1(29.591,25.019) 29.591,24.525 30.609,23.507 R39.2@30.734,23.507
  Mid Layer 1 w0.203: v1(21.684,18.448) 20.532,18.448 19.657,19.323 19.657,20.292 20.096,20.731 28.224,20.731 29.591,22.098 v1(29.591,25.019)
FMU_I2C1_SCL: IC1.95 J9.4 R32.2 | length 35.2
  Top Layer w0.203: v1(26.289,22.733) 26.33,22.733 26.401,22.804 IC1.95@27.997,22.804
  Mid Layer 2 w0.203: v1(10.16,30.353) 10.16,30.368 10.613,30.821 12.533,30.821 12.954,31.242 12.954,32.131 13.208,32.385 13.208,34.378 13.327,34.497 14.162,34.497 17.709,30.95 17.709,29.934 17.907,29.736 17.907,26.326 18.026,26.207 21.138,26.207 23.626,23.718 25.304,23.718 v1(26.289,22.733)
  Bottom Layer w0.203: J9.4@4.851,33.032 6.317,33.032 8.078,31.271 8.795,31.271 9.144,30.922 R32.2@9.144,30.872 9.144,30.822 9.493,30.474 9.998,30.474 10.119,30.353 v1(10.16,30.353)
FMU_I2C1_SDA: IC1.96 J9.5 R33.2 | length 32
  Top Layer w0.203: v1(26.289,23.368) 26.33,23.368 26.394,23.304 IC1.96@27.997,23.304
  Mid Layer 2 w0.203: v1(9.997,33.373) 11.529,33.373 13.006,34.85 14.308,34.85 18.062,31.096 18.062,30.08 18.26,29.882 18.26,26.679 18.379,26.56 21.284,26.56 23.772,24.071 25.558,24.071 26.261,23.368 v1(26.289,23.368)
  Bottom Layer w0.203: J9.5@4.851,34.282 6.57,34.282 7.825,33.026 8.795,33.026 R33.2@9.144,32.678 ; R33.2@9.144,32.628 R33.2@9.144,32.678 ; v1(9.997,33.373) 9.988,33.364 9.83,33.364 R33.2@9.144,32.678